# Allegro board HB1A-AAFM.brd (continued)
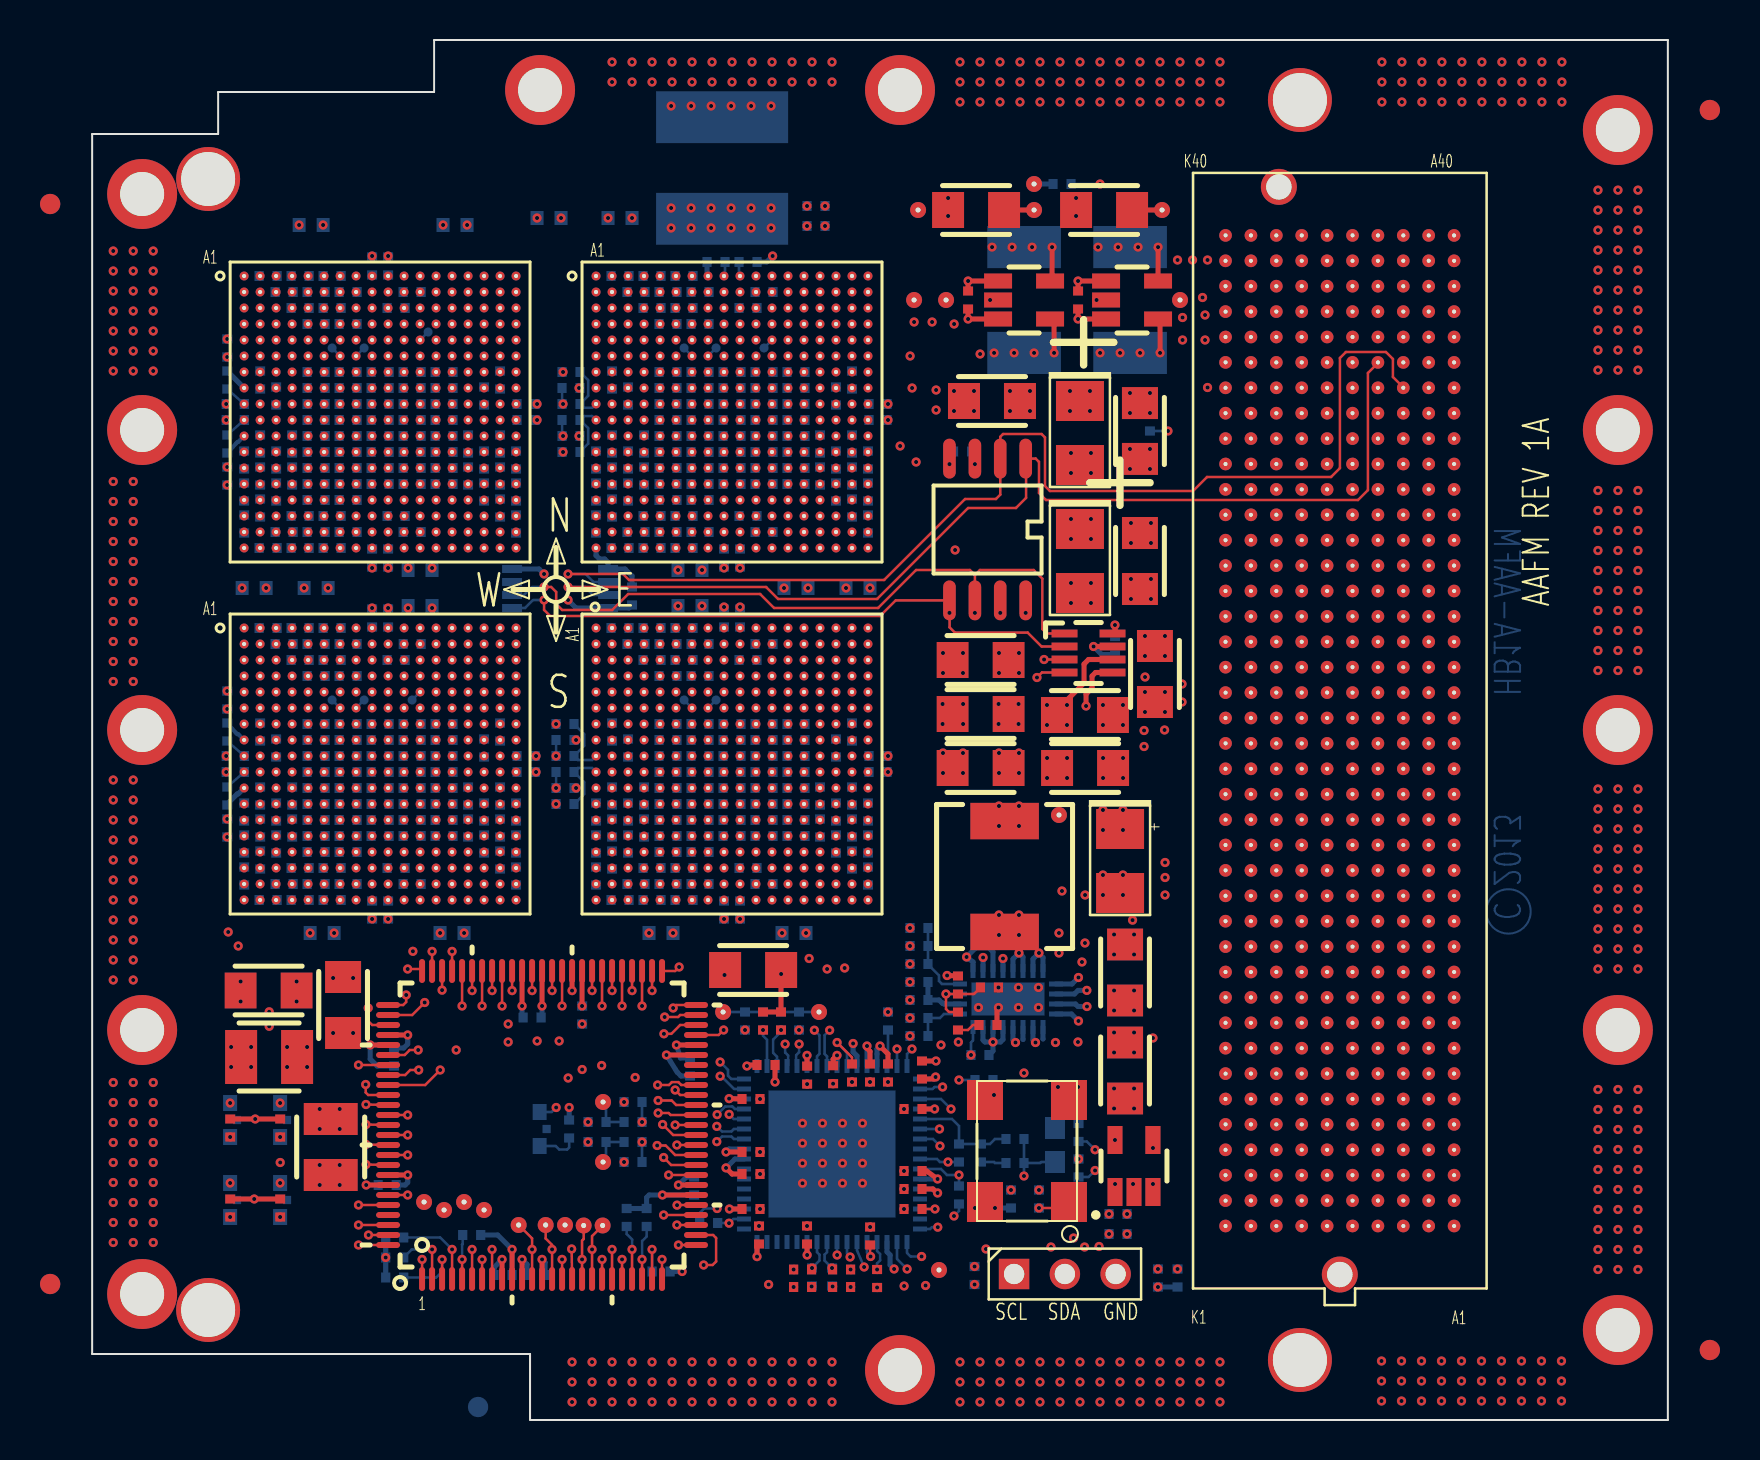
[diagram p0: board, top side]
## Routing (per net, layer and track width the routed paths; a pad name or vN(x,y) marks a point on that pad's centre or on a via; arc(x,y) is an arc through that point) (continued)
UL_LL_NS_DATA_P_6: length 49.5
  SIGNAL_L11-Y w0.089: U7.T6 12,28 12,28.6 12.2,28.8 15.8,28.8 16,29 16,37.4 15.8,37.6 12.2,37.6 12,37.8 12,40.09 11.8,40.29 11.8,40.57 12,40.77 12,41.15 12.3,41.45 12.3,42.7 12,43 12,46.2 12.2,46.4 12.6,46.4 12.8,46.2 12.8,45.8 13,45.6 13.4,45.6 13.6,45.8 13.6,46.2 13.8,46.4 19,46.4 19.2,46.6 19.2,47 19,47.2 17,47.2 16.8,47.4 16.8,47.8 17,48 19,48 19.2,48.2 19.2,56 U3.B16
UL_LL_NS_DATA_P_7: length 49.5
  SIGNAL_L4-Y w0.114: U7.R7 12.8,28.8 12.8,33.4 13,33.6 19,33.6 19.2,33.8 19.2,34.2 19,34.4 13,34.4 12.8,34.6 12.8,35 13,35.2 19,35.2 19.2,35.4 19.2,39.9 19.7,40.4 19.7,40.93 19.2,41.43 19.2,57.4 19.4,57.6 20,57.6 U3.A17
UL_LL_NS_FRAME_N: length 49.4
  SIGNAL_L7-Y w0.089: U3.D9 13.6,55.2 11.4,55.2 11.2,55 11.2,54.6 11.4,54.4 13.4,54.4 13.6,54.2 13.6,53.8 13.4,53.6 11.4,53.6 11.2,53.4 11.2,53 11.4,52.8 13.4,52.8 13.6,52.6 13.6,52.2 13.4,52 11.4,52 11.2,51.8 11.2,51.4 11.4,51.2 13.4,51.2 13.6,51 13.6,50.6 13.4,50.4 11.4,50.4 11.2,50.2 11.2,49.8 11.4,49.6 12.6,49.6 12.8,49.4 12.8,44.2 12.6,44 11.4,44 11.2,43.8 11.2,43.22 11.32,43.09 11.6,43.09 11.75,42.95 11.75,42.75 11.62,42.62 11.32,42.62 11.2,42.49 11.2,27.4 11.4,27.2 12.8,27.2 U7.U8
UL_LL_NS_FRAME_P: length 49.6
  SIGNAL_L7-Y w0.089: U7.U7 12.8,26.4 14.2,26.4 14.4,26.6 14.4,27.8 14.2,28 12.2,28 12,28.2 12,28.6 12.2,28.8 14.2,28.8 14.4,29 14.4,29.4 14.2,29.6 12.2,29.6 12,29.8 12,30.25 12.15,30.4 14.2,30.4 14.4,30.6 14.4,31 14.2,31.2 12.2,31.2 12,31.4 12,31.8 12.2,32 14.2,32 14.4,32.2 14.4,32.6 14.2,32.8 12.2,32.8 12,33 12,41.1 12.25,41.35 12.25,41.81 12.37,41.93 13.33,41.93 13.45,42.05 13.45,42.25 13.3,42.4 12.38,42.4 12.25,42.53 12.25,42.75 12.5,43 13.35,43 13.6,43.25 13.6,49.4 13.8,49.6 14.2,49.6 14.4,49.8 14.4,54.4 U3.D10
UL_LL_NS_LCLK_N: length 49.5
  SIGNAL_L4-Y w0.114: U7.V7 11.9,25.5 9.8,25.5 9.6,25.7 9.6,40.5 9.8,40.7 9.8,40.98 9.6,41.18 9.6,42.45 10,42.85 13.45,42.85 13.7,43.1 15.7,43.1 16,43.4 16,54.2 15.8,54.4 14.6,54.4 14.4,54.6 14.4,55 14.6,55.2 15.8,55.2 16,55.4 16,55.8 15.8,56 13,56 12.8,56.2 12.8,56.6 13,56.8 16,56.8 U3.A12
UL_LL_NS_LCLK_P: length 49.6
  SIGNAL_L4-Y w0.114: U3.A13 16.8,56.8 16.8,43.2 16.4,42.8 16.4,42.4 16.15,42.15 13.99,42.15 13.88,42.03 13.88,41.77 13.75,41.65 13.52,41.65 13.39,41.77 13.39,42.03 13.27,42.15 13.03,42.15 12.91,42.03 12.91,41.77 12.8,41.65 12.55,41.65 12.43,41.77 12.43,42.03 12.31,42.15 11.2,42.15 11,41.95 11,41.4 11.2,41.2 16.1,41.2 16.3,41 16.3,40.4 16.1,40.2 10.7,40.2 10.4,39.9 10.4,26.6 10.6,26.4 11.2,26.4 U7.V6
UL_LL_NS_RD_WAIT_N: length 49.9
  SIGNAL_L11-Y w0.089: U3.B11 15.2,56 15.2,52.24 14.95,52 8.2,52 8,51.8 8,43.06 7.88,42.94 7.52,42.94 7.4,42.82 7.4,42.58 7.53,42.45 8.1,42.45 8.2,42.35 8.2,42.15 8,41.95 8,41.5 7.56,41.06 7.56,40.52 8,40.08 8,33.8 8.2,33.6 9.4,33.6 9.6,33.4 9.6,33 9.4,32.8 8.2,32.8 8,32.6 8,25.79 8.28,25.5 14.2,25.5 14.4,25.7 14.4,26.4 U7.U10
UL_LL_NS_RD_WAIT_P: length 49.9
  SIGNAL_L11-Y w0.089: U3.B12 16,56 16,51.4 15.8,51.2 9,51.2 8.8,51 8.8,42.3 8.3,41.8 8.3,41.4 8.8,40.9 8.8,34.6 9,34.4 10.2,34.4 10.4,34.2 10.4,33.8 10.6,33.6 11,33.6 11.2,33.8 11.2,34.2 11.4,34.4 11.8,34.4 12,34.2 12,32.2 11.8,32 9,32 8.8,31.8 8.8,26.6 9,26.4 13.6,26.4 U7.U9
UL_LL_NS_WR_WAIT_N: length 49.4
  SIGNAL_L14-Y w0.114: U7.T9 14.4,27.2 17.4,27.2 17.6,27.4 17.6,27.8 17.4,28 16.2,28 16,28.2 16,28.6 16.2,28.8 17.4,28.8 17.6,29 17.6,29.4 17.4,29.6 16.2,29.6 16,29.8 16,30.2 16.2,30.4 17.4,30.4 17.6,30.6 17.6,31 17.4,31.2 16.2,31.2 16,31.4 16,31.8 16.2,32 17.4,32 17.6,32.2 17.6,32.6 17.4,32.8 17,32.8 16.8,33 16.8,33.4 17,33.6 17.4,33.6 17.6,33.8 17.6,34.2 17.4,34.4 17,34.4 16.8,34.6 16.8,35 17,35.2 17.4,35.2 17.6,35.4 17.6,35.8 17.4,36 17,36 16.8,36.2 16.8,36.6 17,36.8 17.4,36.8 17.6,37 17.6,37.4 17.4,37.6 17,37.6 16.8,37.8 16.8,38.2 17,38.4 17.4,38.4 17.6,38.6 17.6,39 17.4,39.2 17,39.2 16.8,39.4 16.8,39.8 17,40 17.85,40 18.05,40.2 18.05,41.84 17.93,41.96 17.52,41.96 17.4,42.08 17.4,42.32 17.52,42.44 17.74,42.44 17.85,42.55 17.85,42.84 17.7,42.99 16.41,42.99 16,43.4 16,54.2 15.8,54.4 15.4,54.4 15.2,54.6 15.2,55.2 U3.C10
UL_LL_NS_WR_WAIT_P: length 49.5
  SIGNAL_L14-Y w0.114: U7.T8 12.8,28 12.8,28.6 12.6,28.8 11.4,28.8 11.2,29 11.2,29.4 11.4,29.6 12.6,29.6 12.8,29.8 12.8,30.2 12.6,30.4 11.4,30.4 11.2,30.6 11.2,40.41 10.95,40.66 10.95,40.9 11.2,41.15 11.2,42.5 12,43.3 12,52.6 11.8,52.8 11.4,52.8 11.2,53 11.2,53.4 11.4,53.6 11.8,53.6 12,53.8 12,54.2 11.8,54.4 11.4,54.4 11.2,54.6 11.2,55 11.4,55.2 11.8,55.2 12,55.4 12,56.6 11.8,56.8 9,56.8 8.8,57 8.8,57.39 9,57.59 13.4,57.59 13.6,57.39 13.6,57 13.8,56.8 14.2,56.8 14.4,57 14.4,57.4 14.59,57.59 15.01,57.59 15.2,57.4 15.2,56 U3.C11
UL_LL_SN_DATA_N_0: length 29.2
  SIGNAL_L5-X w0.114: U7.A2 8,39.2 6.95,39.2 6.45,38.7 6.15,38.7 5.83,39.02 5.83,39.77 5.58,40.02 5.58,44.73 5.8,44.95 6.75,44.95 7.4,45.6 8.6,45.6 8.8,45.4 8.8,44.2 9,44 9.4,44 9.6,44.2 9.6,45.4 9.8,45.6 10.2,45.6 10.4,45.4 10.4,44.2 10.6,44 11,44 11.2,44.2 11.2,45.4 11.4,45.6 11.77,45.6 12,45.38 12,44.2 12.2,44 14.2,44 14.4,44.2 14.4,46.2 14.6,46.4 16,46.4 U3.R12
UL_LL_SN_DATA_N_1: length 29.1
  SIGNAL_L5-X w0.114: U3.T13 16.8,45 16.6,44.8 16.2,44.8 16,44.6 16,43.35 16.35,42.99 17.25,42.99 18,42.25 18,42.05 17.9,41.95 15.6,41.95 15.3,42.25 15.3,42.75 15.05,42.99 12.05,42.99 11.93,42.88 11.93,42.87 11.81,42.75 11.57,42.75 11.45,42.87 11.45,42.88 11.33,42.99 11.09,42.99 10.97,42.88 10.97,42.87 10.85,42.75 10.61,42.75 10.49,42.87 10.49,42.88 10.37,42.99 10.13,42.99 10.01,42.88 10.01,42.87 9.89,42.75 9.65,42.75 9.53,42.87 9.53,42.88 9.41,42.99 9.17,42.99 9.05,42.88 9.05,42.87 8.93,42.75 8.69,42.75 8.57,42.87 8.57,42.88 8.45,42.99 8.21,42.99 8.09,42.88 8.09,42.87 7.97,42.75 7.73,42.75 7.61,42.87 7.61,42.88 7.49,42.99 7.15,42.99 7.15,43 7,42.85 7,42.4 6.78,42.19 6.21,42.19 6.1,42.07 6.1,41.9 6.2,41.8 6.8,41.8 6.88,41.72 6.88,41.5 6.78,41.4 6.2,41.4 6.1,41.3 6.1,41.1 6.2,41 6.8,41 6.88,40.92 6.88,40.7 6.78,40.6 6.2,40.6 6.09,40.49 6.09,40.3 6.18,40.22 9.28,40.22 9.6,39.9 9.6,39.2 U7.B3
UL_LL_SN_DATA_N_2: length 29.2
  SIGNAL_L5-X w0.114: U3.U14 17.6,44 17.6,43.3 18.71,42.19 20.45,42.19 20.84,41.8 20.84,41.44 20.49,41.09 17.91,41.09 17.55,41.45 15.1,41.45 14.56,41.99 13.74,41.99 13.6,41.85 13.6,41.58 13.45,41.43 13.22,41.43 13.05,41.6 13.05,41.89 12.95,41.99 12.46,41.99 12.15,42.3 8.1,42.3 7.9,42.1 7.9,41.25 7.75,41.1 7.45,41.1 7.33,40.98 7.33,40.78 7.45,40.66 9.61,40.66 9.75,40.8 11.15,40.8 11.3,40.65 11.3,40.4 11.15,40.25 10.75,40.25 10.4,39.9 10.4,38.4 U7.C4
UL_LL_SN_DATA_N_3: length 29.3
  SIGNAL_L5-X w0.114: U3.V15 18.8,43 19.17,42.63 20.63,42.63 21.28,41.99 21.28,41.22 20.7,40.65 17.55,40.65 17.21,40.99 13.04,40.99 12.81,40.76 12.81,40.19 12.8,40.18 12.8,40.17 12.98,40 18.2,40 18.4,39.8 18.4,39.4 18.2,39.2 11.4,39.2 11.2,39 11.2,37.6 U7.D5
UL_LL_SN_DATA_N_4: length 29.2
  SIGNAL_L5-X w0.114: U7.A4 10,40 10.16,40.16 10.16,40.34 10.06,40.44 7.36,40.44 7.1,40.7 7.1,41.9 7.72,42.52 12.35,42.52 12.66,42.21 12.9,42.21 13.01,42.32 13.01,42.63 13.13,42.75 13.37,42.75 13.49,42.63 13.49,42.32 13.6,42.21 14.84,42.21 15.35,41.7 17.7,41.7 18.09,41.31 20.39,41.31 20.62,41.53 20.62,41.71 20.36,41.97 18.62,41.97 17.37,43.22 16.98,43.22 16.8,43.4 16.8,44.6 17,44.8 17.04,44.8 18.2,44.8 18.4,45 18.4,45.6 U3.R14
UL_LL_SN_DATA_N_5: length 29
  SIGNAL_L5-X w0.114: U7.B5 11,39.2 11.2,39.4 11.2,39.84 11.35,39.98 11.9,39.98 12.15,40.23 12.15,40.85 11.9,41.1 10.41,41.1 9.91,41.6 9.6,41.6 9.41,41.4 9.41,41.02 9.27,40.88 8.4,40.88 8.25,41.03 8.25,41.85 8.45,42.05 12.05,42.05 12.89,41.21 13.82,41.21 13.95,41.34 13.95,41.65 14.07,41.77 14.3,41.77 14.42,41.65 14.42,41.33 14.54,41.21 17.4,41.21 17.74,40.87 20.61,40.87 21.06,41.31 21.06,41.89 20.54,42.41 18.89,42.41 18.4,42.9 18.4,44.6 18.6,44.8 U3.T15
UL_LL_SN_DATA_N_6: length 29.1
  SIGNAL_L5-X w0.114: U3.U16 19.2,44 19.2,43.4 19.74,42.86 20.72,42.86 21.5,42.08 21.5,41.13 20.77,40.4 19.4,40.4 19.2,40.2 19.2,39.4 19,39.2 18.6,39.2 18.4,39 18.4,38.6 18.2,38.4 17.8,38.4 17.6,38.2 17.6,37.8 17.4,37.6 17,37.6 16.8,37.4 16.8,37 16.59,36.78 16.18,36.78 16,36.6 16,36.2 15.8,36 15.4,36 15.2,35.8 15.2,35.4 15,35.2 14.6,35.2 14.4,35 14.4,34.6 14.2,34.4 13.8,34.4 13.6,34.6 13.6,35.8 13.8,36 15,36 15.2,36.2 15.2,36.6 15.4,36.8 15.8,36.8 16,37 16,37.4 16.2,37.6 16.6,37.6 16.8,37.8 16.8,38.2 16.6,38.4 12,38.4 U7.C6
UL_LL_SN_DATA_N_7: length 29.4
  SIGNAL_L5-X w0.114: U3.V17 20.7,43.3 20.9,43.3 21.1,43.1 21.4,43.1 22.1,42.4 22.1,40.8 21.6,40.3 21.3,40.3 20.8,39.8 20.8,39.4 20.6,39.2 20.2,39.2 20,39 20,38.6 19.8,38.4 19.4,38.4 19.2,38.2 19.2,37.8 19,37.6 18.6,37.6 18.4,37.4 18.4,37 18.2,36.8 17.8,36.8 17.6,36.6 17.6,36.2 17.4,36 17,36 16.8,35.8 16.8,35.4 16.6,35.2 16.2,35.2 16,35 16,34.6 15.8,34.4 15.4,34.4 15.2,34.2 15.2,33.8 15.41,33.6 15.8,33.6 16,33.4 16,33 15.8,32.8 15.41,32.8 15.2,32.6 15.2,31.4 15,31.2 13,31.2 12.8,31.4 12.8,31.8 12.6,32 11.4,32 11.2,32.2 11.2,35.8 11.4,36 11.8,36 12,36.2 12,36.6 12.2,36.8 U7.D7
UL_LL_SN_DATA_P_0: length 29.3
  SIGNAL_L5-X w0.114: U7.A3 8.8,40 7.35,40 7.2,39.85 7.2,39.6 7.05,39.45 6.85,39.45 6.75,39.55 6.75,39.8 6.65,39.9 6.1,39.9 5.8,40.2 5.8,44.45 5.94,44.59 6.11,44.59 6.25,44.45 6.25,42.65 6.35,42.55 6.55,42.55 6.65,42.65 6.65,44.45 6.8,44.6 7.05,44.6 7.21,44.44 7.21,43.4 7.4,43.22 7.8,43.22 8,43.41 8,43.8 8.2,44 8.6,44 8.8,43.8 8.8,43.4 8.98,43.22 9.4,43.22 9.6,43.41 9.6,43.8 9.8,44 10.2,44 10.4,43.8 10.4,43.4 10.59,43.22 11,43.22 11.2,43.41 11.2,43.8 11.4,44 11.79,44 12,43.79 12,43.4 12.18,43.22 15.02,43.22 15.2,43.4 15.2,45.6 U3.R11
UL_LL_SN_DATA_P_1: length 29
  SIGNAL_L5-X w0.114: U7.B4 9.6,38.4 7.35,38.4 6.9,37.95 6.25,37.95 5.61,38.59 5.61,39.59 5.36,39.84 5.36,44.85 5.78,45.27 6.47,45.27 6.95,45.75 6.95,46.15 7.2,46.4 11.8,46.4 12,46.2 12,45.8 12.2,45.6 12.6,45.6 12.8,45.4 12.8,45 13,44.8 13.4,44.8 13.6,45 13.6,47 13.8,47.2 16.6,47.2 16.8,47 16.8,45.6 U3.T12
UL_LL_SN_DATA_P_2: length 29.1
  SIGNAL_L8-X w0.089: U3.U13 17,44 16.8,43.8 16.8,43.4 18.14,42.06 20.26,42.06 20.46,41.86 20.46,41.52 20.04,41.1 17.77,41.1 17.43,41.44 15.6,41.44 15.5,41.54 15.5,41.8 15.45,41.85 13.15,41.85 12.24,42.76 7.2,42.76 6.89,42.45 6.89,40.4 7.3,39.98 11.02,39.98 11.2,39.8 11.2,39.4 11.3,39.3 11.3,39.1 11.2,38.99 11.2,38.6 11,38.4 U7.C5
UL_LL_SN_DATA_P_3: length 29.4
  SIGNAL_L8-X w0.089: U3.V14 18,43.29 18.56,42.72 20.54,42.72 21.33,41.93 21.33,41.43 20.34,40.44 19.85,40.44 19.62,40.2 14.64,40.2 14.5,40.35 14.5,40.35 14.4,40.45 14.4,40.92 14.2,41.12 12.93,41.12 11.95,42.1 11.6,42.1 11.5,42 10.95,42 10.85,42.1 9.91,42.1 9.79,41.98 9.79,41.72 9.67,41.6 9.43,41.6 9.31,41.72 9.31,41.98 9.19,42.1 8.4,42.1 8.2,41.9 8.2,41.45 8.44,41.21 10.85,41.21 12.08,39.98 12.66,39.98 12.8,39.85 12.8,38.6 12.6,38.4 12.2,38.4 12,38.2 12,37.6 U7.D6
UL_LL_SN_DATA_P_4: length 29.1
  SIGNAL_L8-X w0.089: U3.R13 16.8,45.6 16.8,44.2 16.6,44 16.2,44 16,43.8 16,43.35 16.4,42.95 16.4,42.55 16.74,42.21 17.63,42.21 18,41.84 19.36,41.84 19.5,41.7 19.5,41.45 19.37,41.32 17.87,41.32 17.53,41.66 ; U7.A5 10.38,39.19 7.35,39.19 7.14,39.39 7.14,39.83 6.67,40.3 6.67,42.54 7.11,42.98 12.33,42.98 13.24,42.07 15.63,42.07 16.05,41.66 17.53,41.66 ; 17.53,41.66 17.55,41.64
UL_LL_SN_DATA_P_5: length 29
  SIGNAL_L8-X w0.089: U3.T14 17.62,44.81 17.62,43.28 18.4,42.5 20.45,42.5 20.82,42.13 20.82,42.13 21.05,41.9 21.05,41.49 20.22,40.66 17.59,40.66 17.25,41 15.04,41 14.7,41.34 13.02,41.34 12.04,42.32 8.12,42.32 7.9,42.1 7.9,41.3 8.21,40.99 8.86,40.99 8.98,40.87 8.98,40.57 9.1,40.45 9.34,40.45 9.46,40.57 9.46,40.87 9.58,40.99 9.82,40.99 9.94,40.87 9.94,40.57 10.06,40.45 10.3,40.45 10.42,40.57 10.42,40.87 10.54,40.99 10.76,40.99 12,39.75 12,39.2 U7.B6
UL_LL_SN_DATA_P_6: length 28.9
  SIGNAL_L8-X w0.089: U3.U15 18.4,44 18.4,43.3 18.76,42.94 20.63,42.94 21.6,41.98 21.6,41.35 20.47,40.22 20.02,40.22 19.78,39.98 19.38,39.98 19.2,39.8 19.2,39.4 19,39.2 18.6,39.2 18.4,39 18.4,38.6 18.2,38.4 17.8,38.4 17.6,38.2 17.6,37.8 17.4,37.6 17,37.6 16.8,37.8 16.8,38.2 17,38.4 17.4,38.4 17.6,38.6 17.6,39 17.8,39.2 18.2,39.2 18.4,39.4 18.4,39.8 18.21,39.98 13.87,39.98 12.95,40.9 11.96,40.9 11.66,41.21 11.51,41.21 11.4,41.1 11.4,40.97 11.89,40.49 12.86,40.49 13.6,39.74 13.6,38.6 13.4,38.4 13,38.4 12.8,38.2 U7.C7
UL_LL_SN_DATA_P_7: length 29.3
  SIGNAL_L5-X w0.114: U7.D8 13.5,37.2 13.6,37.1 13.6,36.2 13.4,36 13,36 12.8,35.8 12.8,35.3 12.7,35.2 12.2,35.2 12,35 12,34.6 12.2,34.4 13.4,34.4 13.6,34.2 13.6,33.8 13.4,33.6 12.2,33.6 12,33.4 12,33 12.2,32.8 13.4,32.8 13.6,32.59 13.6,32.2 13.8,32 14.2,32 14.4,32.2 14.4,34.2 14.6,34.4 15,34.4 15.2,34.6 15.2,35 15.4,35.2 15.8,35.2 16,35.4 16,35.8 16.2,36 16.6,36 16.8,36.2 16.8,36.6 17,36.8 17.4,36.8 17.6,37 17.6,37.4 17.8,37.6 18.2,37.6 18.4,37.8 18.4,38.2 18.6,38.4 19,38.4 19.2,38.6 19.2,39 19.4,39.2 19.8,39.2 20,39.4 20,39.9 20.28,40.18 20.86,40.18 21.72,41.04 21.72,42.17 20.81,43.08 20.12,43.08 U3.V16
UL_LL_SN_FRAME_N: length 31.6
  SIGNAL_L8-X w0.089: U7.B7 12,38.6 11.8,38.4 11.4,38.4 11.2,38.2 11.2,37.8 11,37.6 10.55,37.6 10.4,37.75 10.4,38.25 10.25,38.4 9.75,38.4 9.6,38.25 9.6,37.75 9.45,37.6 8.95,37.6 8.8,37.75 8.8,38.25 8.65,38.4 8.15,38.4 8,38.25 8,37.75 7.85,37.6 7.2,37.6 6.55,38.25 6.55,38.4 6.65,38.5 7.05,38.5 7.2,38.65 7.2,38.85 7.1,38.95 6.65,38.95 6.5,39.1 6.5,39.3 6.6,39.4 6.75,39.4 6.9,39.55 6.9,39.75 6.45,40.2 6.45,42.7 7.15,43.4 7.15,43.75 7.4,44 7.8,44 8,43.8 8,43.35 8.15,43.2 8.65,43.2 8.8,43.35 8.8,43.85 8.95,44 9.45,44 9.6,43.85 9.6,43.35 9.75,43.2 10.25,43.2 10.4,43.35 10.4,43.85 10.55,44 11.05,44 11.2,43.85 11.2,43.35 11.35,43.2 11.85,43.2 12,43.35 12,43.85 12.15,44 12.6,44 12.78,43.81 12.78,43.43 13,43.22 14.21,43.22 14.4,43.4 14.4,43.8 14.6,44 15,44 15.2,44.2 15.2,45.4 15,45.6 U3.R10
UL_LL_SN_FRAME_P: length 31.4
  SIGNAL_L12-X w0.089: U7.B8 12.85,38.8 12.8,38.74 12.8,37.8 12.6,37.6 12.2,37.6 12,37.8 12,38.2 11.8,38.4 11.41,38.4 11.2,38.2 11.2,37.8 11,37.6 10.6,37.6 10.41,37.8 10.41,38.2 10.2,38.4 9.8,38.4 9.6,38.2 9.6,37.8 9.41,37.6 9,37.6 8.8,37.8 8.8,38.2 8.6,38.4 8.2,38.4 8,38.2 8,37.8 7.8,37.6 7.4,37.6 7.15,37.85 7.15,38.24 6.9,38.49 6.9,39.39 6.8,39.49 6.6,39.49 6.5,39.4 6.5,38.7 6.34,38.53 6.17,38.53 6.01,38.7 6.01,44.7 7.2,45.9 7.2,46.2 7.41,46.4 7.74,46.4 7.98,46.64 7.98,47.03 8.16,47.2 9.4,47.2 9.6,47.4 9.6,47.8 9.8,48 12.59,48 12.8,47.8 12.8,47.4 13,47.2 13.4,47.2 13.6,46.99 13.6,46.59 13.8,46.4 U3.R9
UL_LL_SN_LCLK_N: length 28.1
  SIGNAL_L8-X w0.089: U7.A6 11.4,39.95 11.14,40.2 8.7,40.2 8.58,40.33 8.58,40.65 8.46,40.77 8.22,40.77 8.1,40.65 8.1,40.33 7.98,40.2 7.39,40.2 7.18,40.41 7.18,40.58 7.3,40.7 7.6,40.7 7.7,40.7 7.84,40.84 7.84,41.01 7.7,41.15 7.25,41.15 7.11,41.29 7.11,42.36 7.29,42.54 12.13,42.54 13.11,41.56 14.92,41.56 15.26,41.22 17.34,41.22 17.68,40.88 20.13,40.88 20.74,41.49 20.74,41.89 20.6,42.04 20.6,42.04 20.36,42.28 18.27,42.28 17.35,43.2 U3.V13
UL_LL_SN_LCLK_P: length 28.3
  SIGNAL_L12-X w0.089: U3.V12 16.78,43.22 17.36,43.22 17.6,43.45 17.6,44.6 17.8,44.8 18.2,44.8 18.4,44.6 18.4,43.4 18.6,43.2 19,43.2 19.2,43.4 19.2,43.8 19.4,44 19.8,44 20,43.8 20,43.4 20.2,43.2 20.59,43.2 21.88,41.91 21.88,41.19 20.69,40 20.2,40 20,39.8 20,39.4 19.8,39.2 19.4,39.2 19.2,39 19.2,38.6 19,38.4 18.6,38.4 18.4,38.2 18.4,37.8 18.2,37.6 17.8,37.6 17.6,37.4 17.6,37 17.4,36.8 17,36.8 16.8,36.6 16.8,36.2 16.6,36 15.4,36 15.2,36.2 15.2,37.4 15.4,37.6 15.8,37.6 16,37.8 16,38.2 15.8,38.4 15.4,38.4 15.2,38.59 15.2,38.99 15,39.2 14.6,39.2 14.41,39.4 14.41,39.8 14.22,39.98 12.99,39.98 12.8,39.8 U7.A7
UL_LL_SN_RD_WAIT_N: length 30
  SIGNAL_L12-X w0.089: U3.U12 16,44.8 13.8,44.8 13.6,44.99 13.6,46.2 13.4,46.4 13,46.4 12.8,46.59 12.8,46.99 12.59,47.2 9.8,47.2 9.6,47 9.6,46.6 9.4,46.4 8.16,46.4 8,46.25 8,45.75 7.85,45.6 7.43,45.6 6.23,44.4 6.23,40.38 7.2,39.4 7.2,38.59 7.4,38.4 7.8,38.4 8,38.6 8,39 8.2,39.2 8.6,39.2 8.8,39 8.8,38.6 9,38.4 9.35,38.4 9.6,38.65 9.6,39 9.8,39.2 10.2,39.2 10.4,39 10.4,38.6 10.6,38.4 11,38.4 11.2,38.6 11.2,39 11.4,39.2 11.8,39.2 11.8,39.2 13.6,39.2 U7.B9
UL_LL_SN_RD_WAIT_P: length 30.2
  SIGNAL_L12-X w0.089: U7.B10 15,38.4 15.2,38.2 15.2,37.8 15,37.6 14.6,37.6 14.4,37.4 14.4,35.4 14.6,35.2 15,35.2 15.2,35 15.2,34.6 15.4,34.4 15.8,34.4 16,34.6 16,35 16.2,35.2 16.55,35.2 16.8,35.45 16.8,35.8 17,36 17.4,36 17.6,36.2 17.6,36.6 17.8,36.8 18.2,36.8 18.4,37 18.4,37.4 18.6,37.6 19,37.6 19.2,37.8 19.2,38.2 19.4,38.4 19.8,38.4 20,38.6 20,39 20.2,39.2 20.6,39.2 20.8,39.4 20.8,39.8 21.1,40.1 21.5,40.1 22.2,40.79 22.2,42.89 21.89,43.2 21,43.2 21,43.2 20.8,43.4 20.8,43.8 20.6,44 20.2,44 20,44.2 20,44.6 19.8,44.8 19.4,44.8 19.2,45 19.2,45.4 19,45.6 18.6,45.6 18.4,45.8 18.4,46.2 18.2,46.4 17,46.4 16.8,46.2 16.8,44.2 16.6,44 16,44 U3.U11
UL_LL_SN_WR_WAIT_N: length 29.8
  SIGNAL_L15-X w0.114: U3.T11 15.2,45.6 12.2,45.6 12,45.8 12,46.2 11.8,46.4 7,46.4 6.8,46.2 6.8,46.08 6.66,45.93 6.11,45.93 5.14,44.96 5.14,38.21 6.16,37.2 6.16,36.23 6.38,36 12.6,36 12.8,36.2 12.8,37.4 13,37.6 U7.C8
UL_LL_SN_WR_WAIT_P: length 30
  SIGNAL_L8-X w0.089: U3.T10 14.6,44.8 14.4,44.6 14.4,44.24 14.16,44 13.03,44 12.8,44.23 12.8,45.4 12.6,45.6 7.4,45.6 6.01,44.21 6.01,36.37 6.38,36 9.41,36 9.6,36.2 9.6,36.6 9.8,36.8 10.2,36.8 10.41,36.6 10.41,36.2 10.6,36 12.6,36 12.8,36.2 12.8,36.6 13,36.8 13.4,36.8 13.6,37 13.6,37.4 13.8,37.6 U7.C9
UL_RESET_L: length 65.9
  TOP w0.127: U9.2 v1(17,8.53)
  SIGNAL_L5-X w0.114: TP28.1 16.27,10.57 15.83,10.57 14.16,12.25 10.03,12.25 v1(9.41,12.88)
  SIGNAL_L11-Y w0.089: v1(17,8.53) 17,9.15 16.6,9.55 TP28.1
  SIGNAL_L12-X w0.089: v1(9.41,12.88) 8.75,13.53 8.75,15.7 7.5,16.95 7.5,19.48 8.1,20.07 8.1,24 7.2,24.9 6.3,24.9 5.77,25.44 5.77,37.81 5.35,38.23 5.35,45.42 5.7,45.78 5.7,51.48 7.03,52.8 15.2,52.8 15.6,53.2 U3.F11
  BOTTOM w0.127: R202.2 15.98,8.53 16.99,8.53 v1(17,8.53)
UL_SCLKI_XID1: length 67.4
  TOP w0.127: U9.52 v1(28,21.47)
  SIGNAL_L15-X w0.114: v1(28,21.47) 27.6,21.47 27.16,21.02 26.8,21.02 26.53,21.3 26.53,21.59 26.03,22.09 14.71,22.09 13.5,23.3 7,23.3 5.68,24.62 5.68,36.92 4.41,38.2 4.41,45.4 5.8,46.8 5.8,55.3 7.3,56.8 12.6,56.8 12.8,56.6 12.8,54.4 13.2,54.01 U3.E8
UL_SCLKO_YID1: length 69.1
  TOP w0.127: U9.56 v1(26,21.47)
  SIGNAL_L5-X w0.114: v1(26,21.47) 25.45,22.02 18.83,22.02 17.2,20.4 14.85,20.4 14.58,20.12 12.45,20.12 11.13,21.45 7.1,21.45 5.7,22.85 5.7,25.62 5.16,26.18 5.16,32.88 5.48,33.2 5.48,37.65 4.8,38.33 4.8,46.3 6.3,47.8 6.3,55.2 7.1,56 15.8,56 16,55.8 16,54.4 15.6,54 U3.E11
UL_SDI_XID2: length 66.9
  TOP w0.127: U9.53 v1(27.5,20.7)
  SIGNAL_L11-Y w0.089: v1(7.3,23.7) 7.7,23.3 15.31,23.3 15.91,23.9 24.33,23.9 25.8,22.43 26.95,22.43 27.5,21.88 27.5,20.7 v1(27.5,20.7)
  SIGNAL_L12-X w0.089: U3.F10 14.8,53.2 14.41,53.6 14.41,54.2 14.2,54.4 6.96,54.4 6.92,54.44 6.59,54.44 6.37,54.21 6.37,54.06 5.21,52.91 5.21,45.91 4.75,45.45 4.75,36.08 5.21,35.62 5.21,33.38 4.75,32.92 4.75,25.35 6.41,23.7 v1(7.3,23.7)
UL_SDO_YID2: length 68.8
  TOP w0.127: U9.57 v1(25.5,20.7)
  SIGNAL_L15-X w0.114: U3.E9 14,54.01 13.6,54.4 13.6,57.4 13.41,57.6 7.2,57.6 5.53,55.92 5.53,46.84 4.18,45.49 4.18,37.99 5.45,36.73 5.45,24.35 6.8,23 13.3,23 15.87,20.44 17.64,20.44 17.83,20.25 25.05,20.25 v1(25.5,20.7)
UL_UL_WW_DATA_N_0: length 12
  SIGNAL_L7-Y w0.089: U3.H4 10,51.59 9.8,51.2 9.6,51 9.6,44.2 9.41,44 6.91,44 6.7,44.2 6.7,44.5 6.91,44.7 7.3,44.7 U3.U1
UL_UL_WW_DATA_N_1: length 9.2
  SIGNAL_L7-Y w0.089: U3.T2 8.41,45.2 8.41,44.9 8.5,44.8 8.7,44.8 8.8,44.9 8.8,51 9,51.2 9.41,51.2 9.6,51.4 9.6,52.3 9.5,52.4 U3.G3
UL_UL_WW_DATA_N_2: length 9.5
  SIGNAL_L4-Y w0.114: U3.F2 8.1,53.2 8,53.1 8,52.2 8.2,52 8.6,52 8.8,51.8 8.8,47.4 8.6,47.2 8.2,47.2 8,47 8,46.6 8.2,46.4 8.8,46.4 U3.R3
UL_UL_WW_DATA_N_3: length 9.9
  SIGNAL_L4-Y w0.114: U3.P4 9.6,47.2 9.6,53.4 9.4,53.6 7.3,53.6 7.2,53.7 7.2,53.9 7.3,54 U3.E1
UL_UL_WW_DATA_N_4: length 12
  SIGNAL_L14-Y w0.114: U3.R1 7.2,46.4 7.2,47.8 7.41,48 7.8,48 8,47.8 8,47.4 8.2,47.2 9.41,47.2 9.6,47.4 9.6,53.5 9.7,53.6 9.91,53.6 10,53.5 10,53.2 U3.F4
UL_UL_WW_DATA_N_5: length 9
  SIGNAL_L8-X w0.089: U3.E3 8.8,54.4 8.2,54.4 8,54.2 8,47.2 8.4,46.8 U3.P2
UL_UL_WW_DATA_N_6: length 9.5
  SIGNAL_L14-Y w0.114: U3.D2 8.41,54.8 8.41,54.5 8.3,54.4 7.45,54.4 7.2,54.15 7.2,53.85 7.45,53.6 7.8,53.6 8,53.41 8,48.26 8.25,48 8.8,48 U3.N3
UL_UL_WW_DATA_N_7: length 11.4
  SIGNAL_L8-X w0.089: U3.C1 7.6,55.6 7.6,55.9 7.7,56 10.2,56 10.41,55.8 10.41,50.6 10.2,50.4 9.8,50.4 9.6,50.2 9.6,48.8 10,48.41 U3.M4
UL_UL_WW_DATA_P_0: length 12.1
  SIGNAL_L7-Y w0.089: U3.T1 7.6,45.2 7.2,45.6 7.2,53.4 7.41,53.6 9.41,53.6 9.6,53.4 9.6,52.8 U3.G4
UL_UL_WW_DATA_P_1: length 9.3
  SIGNAL_L7-Y w0.089: U3.F3 9.2,53.2 8.8,52.8 8.2,52.8 8,52.6 8,52.2 8.2,52 8.6,52 8.8,51.8 8.8,51.4 8.6,51.2 8.2,51.2 8,51 8,46.4 U3.R2
UL_UL_WW_DATA_P_2: length 9.6
  SIGNAL_L8-X w0.089: U3.E2 8.8,53.59 8.8,48.2 9,48 10.2,48 10.41,47.8 10.41,47.4 10.2,47.2 9.6,47.2 U3.P3
UL_UL_WW_DATA_P_3: length 9.8
  SIGNAL_L4-Y w0.114: U3.D1 8,54.6 8.2,54.4 10.2,54.4 10.4,54.2 10.4,48 U3.N4
UL_UL_WW_DATA_P_4: length 12.1
  SIGNAL_L8-X w0.089: U3.E4 9.6,54.4 9.6,54.41 9.6,55 9.41,55.2 7.41,55.2 7.2,55 7.2,47.2 7.6,46.8 U3.P1
UL_UL_WW_DATA_P_5: length 9
  SIGNAL_L5-X w0.114: U3.D3 9.2,54.8 9.2,55.1 9.1,55.2 8.91,55.2 8.8,55.1 8.8,49 8.6,48.8 8.2,48.8 8,48.6 8,47.99 U3.N2
UL_UL_WW_DATA_P_6: length 9.7
  SIGNAL_L14-Y w0.114: U3.M3 8.8,48.9 8.8,49 8.8,54.2 9,54.4 9.41,54.4 9.6,54.6 9.6,55 9.41,55.2 8.1,55.2 8,55.3 8,55.5 8.1,55.6 U3.C2
UL_UL_WW_DATA_P_7: length 11.5
  SIGNAL_L8-X w0.089: U3.B1 8.2,56.78 10.16,56.78 10.41,56.54 10.41,56.25 10.66,56 11,56 11.18,55.82 11.18,50.64 10.95,50.4 10.66,50.4 10.41,50.15 10.41,49.9 U3.L4
UL_UL_WW_FRAME_N: length 9.9
  SIGNAL_L12-X w0.089: U3.M2 8,48.8 8,49.4 7.8,49.6 7.41,49.6 7.2,49.4 7.2,48.5 7,48.3 6.5,48.3 6.2,48.6 6.2,50.15 6.45,50.4 9.6,50.4 10,50.01 U3.K4
UL_UL_WW_FRAME_P: length 9.7
  SIGNAL_L12-X w0.089: U3.L2 8.41,49.2 8.8,49.6 13.41,49.6 13.6,49.8 13.6,50.2 13.41,50.4 10.4,50.4 U3.J4
UL_UL_WW_LCLK_N: length 10.6
  SIGNAL_L4-Y w0.114: U3.N1 7.28,47.6 7.18,47.5 7.18,46.55 6.99,46.36 6.18,46.36 6.03,46.51 6.03,47.92 6.2,48.1 7.1,48.1 7.2,48 7.8,48 8,48.2 8,51.8 7.8,52 U3.G1
UL_UL_WW_LCLK_P: length 10.5
  SIGNAL_L4-Y w0.114: U3.F1 7.28,53.2 6.85,53.62 6.43,53.62 6.3,53.5 6.3,52.1 6.42,51.99 6.59,51.99 6.7,52.11 6.7,52.6 6.87,52.77 7.04,52.77 7.2,52.6 7.2,49 7,48.8 6.5,48.8 6.41,48.7 6.41,48.5 6.5,48.4 U3.M1
UL_UL_WW_RD_WAIT_N: length 9.6
  SIGNAL_L5-X w0.114: U3.K2 8,49.6 7.41,49.6 7.2,49.8 7.2,54.2 7.41,54.4 7.8,54.4 8,54.2 8,52 8.4,51.6 U3.H2
UL_UL_WW_RD_WAIT_P: length 9.6
  SIGNAL_L15-X w0.114: U3.G2 8.4,52.41 8,52.8 8,55 7.8,55.2 7.41,55.2 7.2,55 7.2,50.6 7.41,50.4 8,50.4 U3.J2
UL_UL_WW_WR_WAIT_N: length 10.4
  SIGNAL_L5-X w0.114: U3.J3 9.6,51.2 9.6,54.2 9.8,54.4 10.2,54.4 10.41,54.2 10.41,49.8 10.2,49.6 9.6,49.6 9.2,49.2 U3.L3
UL_UL_WW_WR_WAIT_P: length 10.4
  SIGNAL_L15-X w0.114: U3.H3 9.6,52.01 9.6,55 9.8,55.2 10.2,55.2 10.41,55 10.41,50.6 10.2,50.4 9.6,50.4 9.2,50 U3.K3
UL_UR_EW_DATA_N_0: length 29.2
  SIGNAL_L5-X w0.114: U3.G15 18.4,52.6 18.2,52.8 17.8,52.8 17.6,53 17.6,53.4 17.4,53.6 15.4,53.6 15.2,53.8 15.2,55 15,55.2 14.6,55.2 14.4,55 14.4,53.8 14.2,53.6 13.8,53.6 13.6,53.4 13.6,51.4 13.8,51.2 14.2,51.2 14.4,51 14.4,50.6 14.6,50.4 15,50.4 15.2,50.2 15.2,49.8 15.4,49.6 15.8,49.6 16,49.4 16,49 16.2,48.8 16.6,48.8 16.8,48.6 16.8,48.2 17,48 17.4,48 17.6,47.8 17.6,47.4 17.8,47.2 18.2,47.2 18.4,47 18.4,46.6 18.6,46.4 19,46.4 19.2,46.2 19.2,45.8 19.4,45.6 19.8,45.6 20,45.4 20,45 20.2,44.8 20.6,44.8 20.8,44.6 20.8,44.2 21,44 21.4,44 21.9,43.5 21.9,43.2 22.4,42.7 24,42.7 24.7,43.4 24.7,43.7 24.9,43.9 24.9,44.1 U4.U1
UL_UR_EW_DATA_N_1: length 29.1
  SIGNAL_L5-X w0.114: U3.F16 20,52.8 20,48.2 19.8,48 19.4,48 19.2,48.2 19.2,48.6 19,48.8 18.6,48.8 18.4,49 18.4,49.4 18.2,49.6 17.8,49.6 17.6,49.8 17.6,51 17.4,51.2 16.2,51.2 16,51 16,50.6 16.2,50.4 16.6,50.4 16.8,50.2 16.8,49.8 17,49.6 17.4,49.6 17.6,49.4 17.6,49 17.8,48.8 18.2,48.8 18.38,48.62 18.38,48.22 18.6,48 19,48 19.2,47.8 19.2,47.4 19.4,47.2 19.8,47.2 20,47 20,46.6 20.2,46.4 20.6,46.4 20.8,46.2 20.8,45.8 21,45.6 21.8,45.6 22,45.4 22,44.03 22.73,43.3 23.68,43.3 24.46,44.08 24.46,45.06 25,45.6 25.6,45.6 U4.T2
UL_UR_EW_DATA_N_2: length 29.2
  SIGNAL_L5-X w0.114: U4.R3 26.4,46.2 26.2,46.4 24.5,46.4 24.01,45.91 24.01,44.26 23.49,43.74 22.91,43.74 22.47,44.19 22.47,49.21 22.86,49.6 22.86,51.05 22.7,51.21 22.7,52.9 23.36,53.56 23.36,56.29 23.2,56.45 22.63,56.45 22.48,56.3 22.48,56.14 22.6,56.02 22.93,56.02 23.05,55.9 23.05,55.66 22.93,55.54 22.6,55.54 22.48,55.42 22.48,55.2 22.6,55.08 22.93,55.08 23.05,54.96 23.05,54.72 22.93,54.6 22.6,54.6 22.48,54.48 22.48,54.26 22.6,54.14 22.93,54.14 23.05,54.02 23.05,53.78 22.93,53.66 22.6,53.66 22.48,53.54 22.48,53.28 22.35,53.15 22.35,52.85 22.2,52.7 21.84,52.7 21.69,52.85 21.69,53.34 21.44,53.6 21,53.6 20.8,53.8 U3.E17
UL_UR_EW_DATA_N_3: length 29.5
  SIGNAL_L5-X w0.114: U3.D18 21.6,54.8 21.77,54.63 21.93,54.63 22.04,54.74 22.04,57.44 22.3,57.7 23.5,57.7 23.8,57.4 23.8,53.25 23.15,52.6 23.15,51.8 23.95,51 23.95,50.47 24.07,50.35 24.08,50.35 24.2,50.23 24.2,49.99 24.08,49.87 24.07,49.87 23.95,49.75 23.95,49 23.75,48.8 23.35,48.8 23.16,48.61 23.16,48.04 23.4,47.8 23.4,47.56 23.16,47.32 23.16,46.56 22.91,46.31 22.91,44.41 23.13,44.18 23.31,44.18 23.57,44.44 23.57,46.18 24.7,47.31 24.7,47.7 25,48 26.2,48 26.39,47.8 26.4,47.76 26.4,46.6 26.6,46.4 27.2,46.4 U4.P4
